# Altium PCB PCB3.PcbDoc (part 2 of 2)
Units mm, origin at the board's own origin, x right, y up, seen from the top; angles counter-clockwise.
Board outline 64.1 x 43.89 mm, 2 copper layers (Top Layer, Bottom Layer); 156 components, 17 nets, 540 pads, 360 vias.
Unrouted connection lines stored in the file: 91.
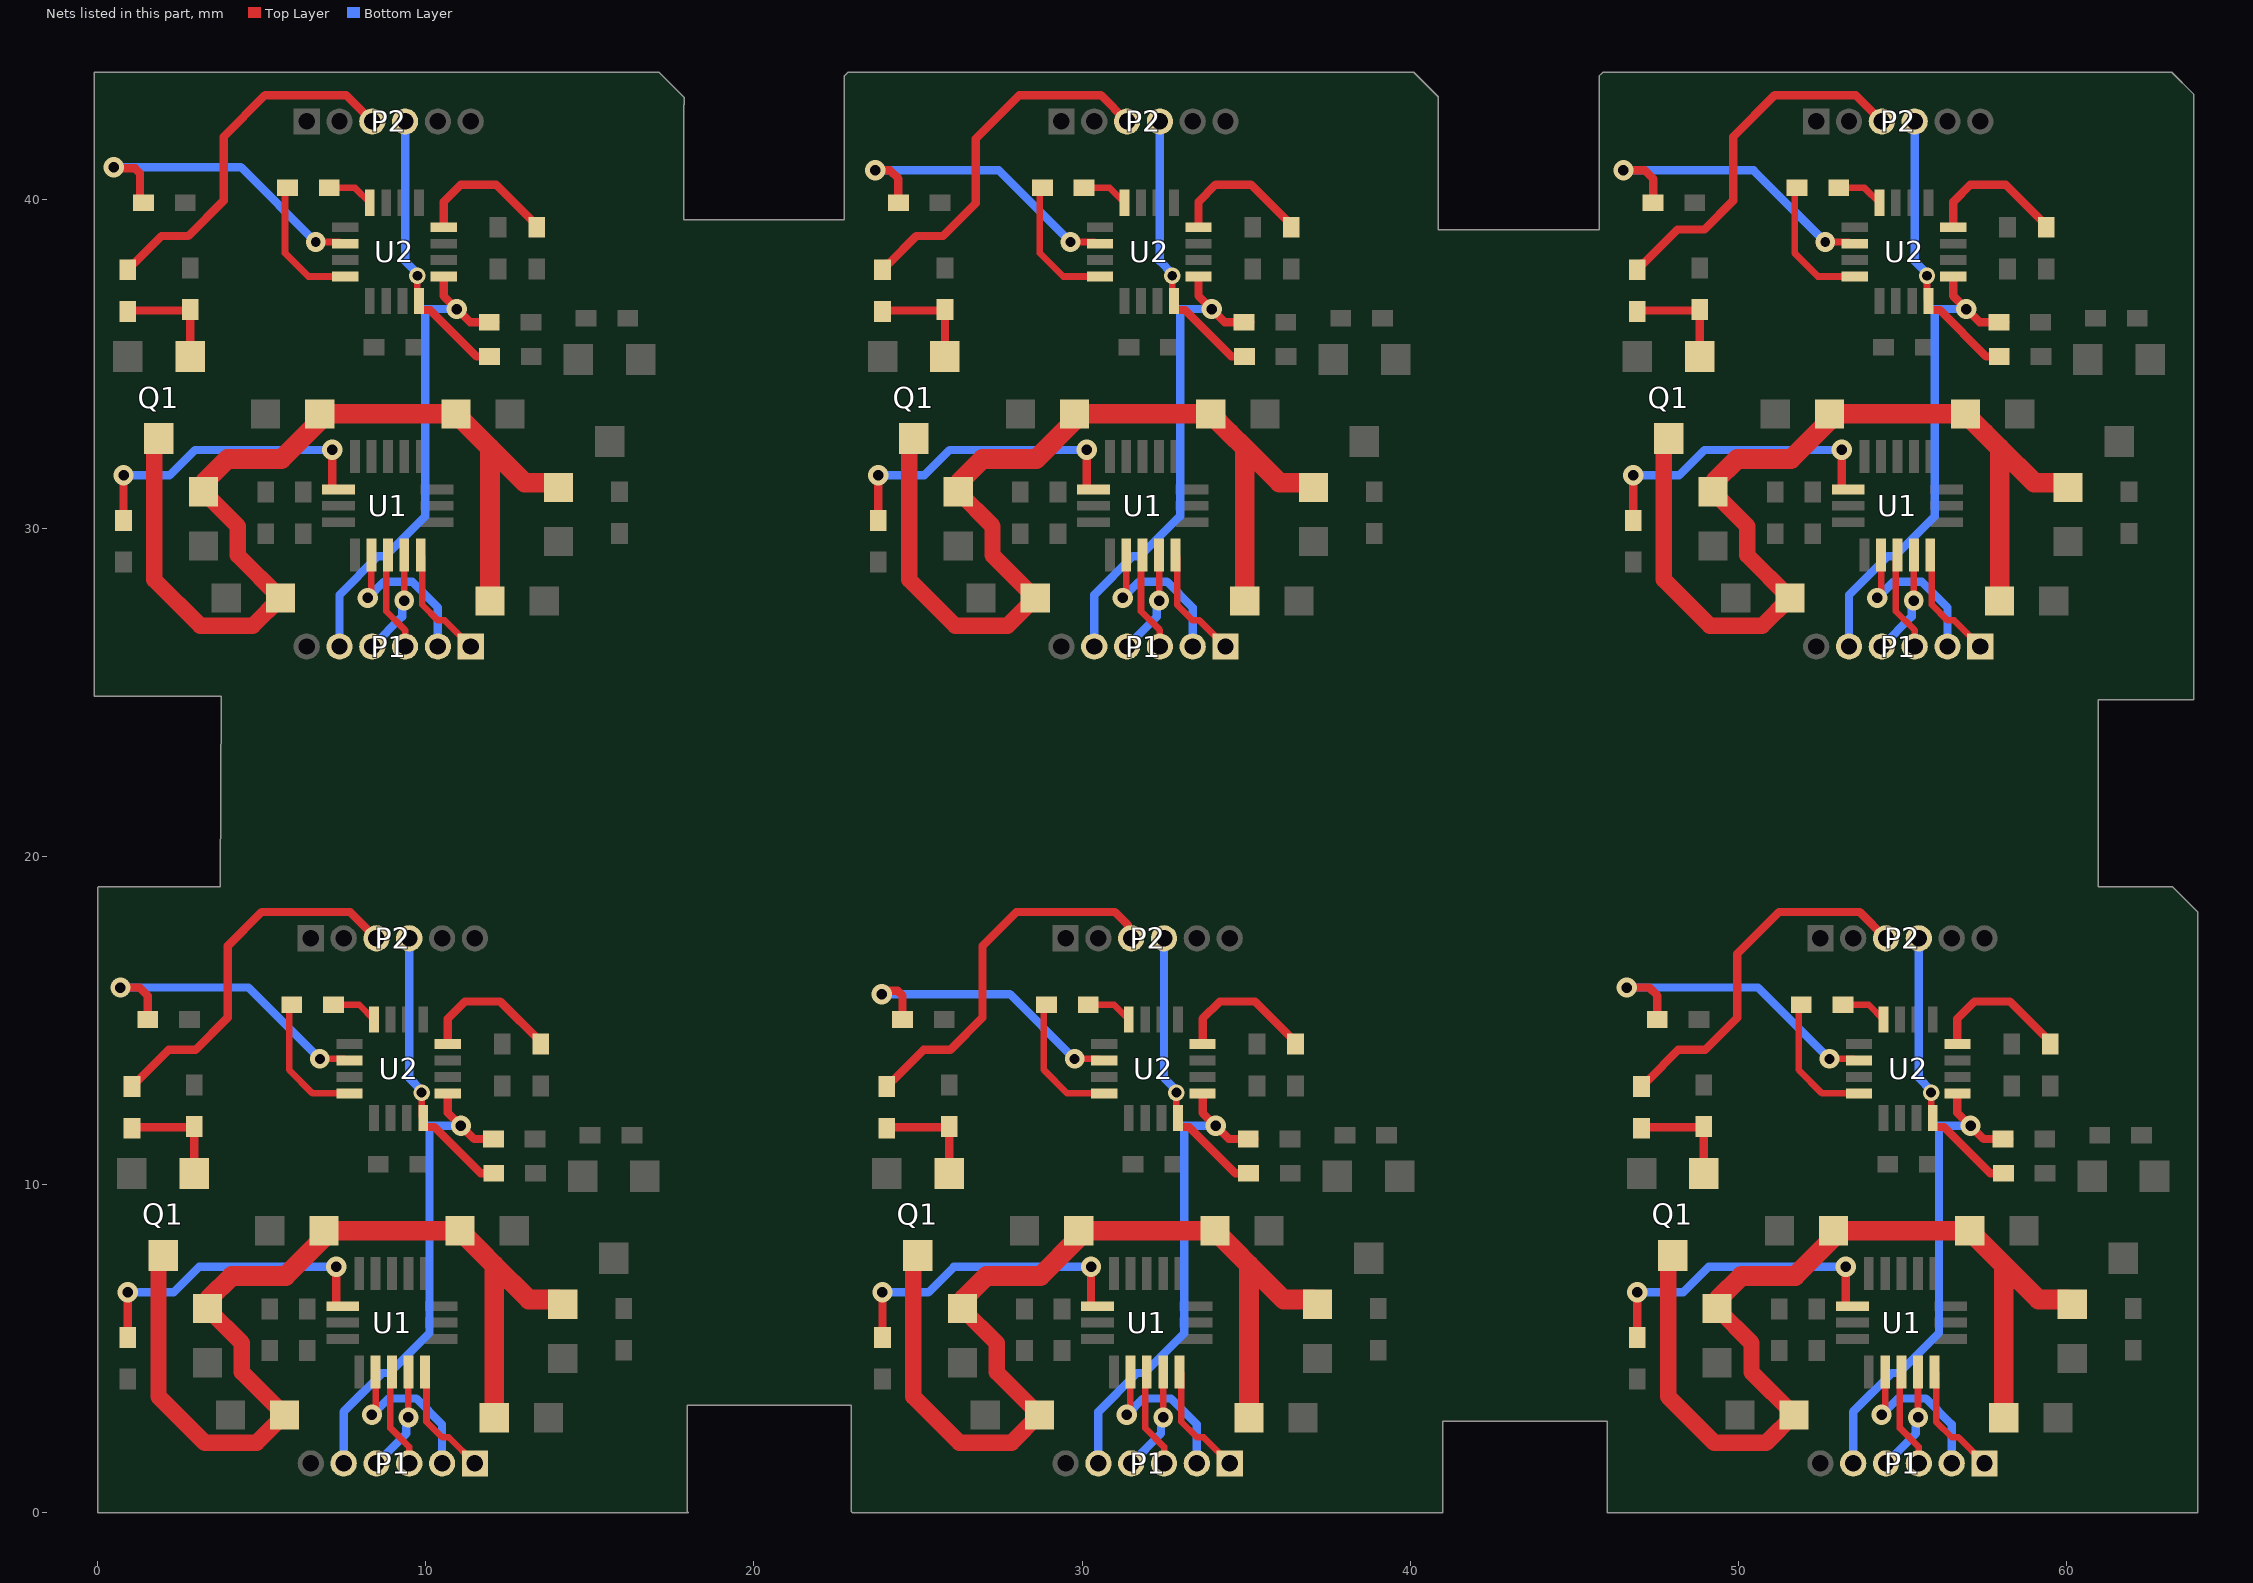
[diagram p2: the nets of this part, all layers, seen from the top]

## Via types
v1: diameter 0.508/0.6 (per signal layer), hole 0.457, Top Layer to Bottom Layer, 168 vias
v2: diameter 0.62, hole 0.32, Top Layer to Bottom Layer, 132 vias
v3: diameter 2.2/0.6 (per signal layer), hole 2, Top Layer to Bottom Layer, 20 vias
v4: diameter 0.6, hole 0.3, Top Layer to Bottom Layer, 12 vias
v5: diameter 0.6/0.6 (per signal layer), hole 0.5, Top Layer to Bottom Layer, 6 vias
v6: diameter 0.5, hole 0.3, Top Layer to Bottom Layer, 6 vias
v7: diameter 0.6, hole 0.32, Top Layer to Bottom Layer, 6 vias
v8: diameter 0.6, hole 0.4, Top Layer to Bottom Layer, 6 vias
v9: diameter 2.1/0.6 (per signal layer), hole 2, Top Layer to Bottom Layer, 4 vias

## Nets (pads, with @x,y where several pads share a name; then routed paths per layer and width w, separated by ;. In a path a pad name is that pad's centre, name@x,y a point inside that pad or via, vN(x,y) a via of type N, cw(c..) or ccw(c..) an arc to the next point about the centre after c; other vN are vias at no path point) (continued)
NetC4_1: C4.1 U1.14 | length 56.6
  Top Layer w0.254: C4.1@0.793,30.233 v2(0.793,31.606) ; C4.1@0.92,5.341 v2(0.92,6.714) ; v2(7.148,32.383) 7.148,31.203 7.171,31.18 U1.14@7.348,31.18 ; v2(7.275,7.491) 7.275,6.311 7.298,6.288 U1.14@7.475,6.288 ; C4.1@23.793,30.233 v2(23.793,31.606) ; C4.1@23.92,5.341 v2(23.92,6.714) ; v2(30.148,32.383) 30.148,31.203 30.171,31.18 U1.14@30.348,31.18 ; v2(30.275,7.491) 30.275,6.311 30.298,6.288 U1.14@30.475,6.288 ; C4.1@46.793,30.233 v2(46.793,31.606) ; C4.1@46.92,5.341 v2(46.92,6.714) ; v2(53.148,32.383) 53.148,31.203 53.171,31.18 U1.14@53.348,31.18 ; v2(53.275,7.491) 53.275,6.311 53.298,6.288 U1.14@53.475,6.288
  Bottom Layer w0.254: v2(0.793,31.606) 2.191,31.606 2.969,32.383 v2(7.148,32.383) ; v2(0.92,6.714) 2.318,6.714 3.096,7.491 v2(7.275,7.491) ; v2(23.793,31.606) 25.191,31.606 25.969,32.383 v2(30.148,32.383) ; v2(23.92,6.714) 25.318,6.714 26.096,7.491 v2(30.275,7.491) ; v2(46.793,31.606) 48.191,31.606 48.969,32.383 v2(53.148,32.383) ; v2(46.92,6.714) 48.318,6.714 49.096,7.491 v2(53.275,7.491)
NetC8_2: C8.2 U2.10 | length 56.5
  Top Layer w0.2: v4(6.648,38.718) 7.373,38.718 U2.10@7.423,38.667 ; v4(6.775,13.826) 7.5,13.826 U2.10@7.55,13.775 ; v4(29.648,38.718) 30.373,38.718 U2.10@30.423,38.667 ; v4(29.775,13.826) 30.5,13.826 U2.10@30.55,13.775 ; v4(52.648,38.718) 53.373,38.718 U2.10@53.423,38.667 ; v4(52.775,13.826) 53.5,13.826 U2.10@53.55,13.775
  Top Layer w0.254: v2(0.5,41) 0.539,40.961 1.148,40.961 1.297,40.812 1.297,40.023 C8.2@1.403,39.917 ; v2(0.7,16) 1.285,16 1.53,15.755 C8.2@1.53,15.025 ; v2(23.7,40.9) 24.15,40.9 24.403,40.647 C8.2@24.403,39.917 ; v2(23.9,15.8) 23.9,15.815 23.985,15.9 24.385,15.9 24.53,15.755 C8.2@24.53,15.025 ; v2(46.5,40.9) 47.15,40.9 47.403,40.647 C8.2@47.403,39.917 ; v2(46.6,16) 47.285,16 47.53,15.755 C8.2@47.53,15.025
  Bottom Layer w0.254: v2(0.5,41) 4.366,41 v4(6.648,38.718) ; v2(0.7,16) 4.601,16 v4(6.775,13.826) ; v2(23.7,40.9) 27.466,40.9 v4(29.648,38.718) ; v2(23.9,15.8) 27.801,15.8 v4(29.775,13.826) ; v2(46.5,40.9) 50.466,40.9 v4(52.648,38.718) ; v2(46.6,16) 50.601,16 v4(52.775,13.826)
NetC9_1: C9.1 U2.8 | length 9
  Top Layer w0.2: C9.1@6.983,40.367 7.848,40.367 U2.8@8.298,39.917 ; C9.1@7.11,15.475 7.975,15.475 U2.8@8.425,15.025 ; C9.1@29.983,40.367 30.848,40.367 U2.8@31.298,39.917 ; C9.1@30.11,15.475 30.975,15.475 U2.8@31.425,15.025 ; C9.1@52.983,40.367 53.848,40.367 U2.8@54.298,39.917 ; C9.1@53.11,15.475 53.975,15.475 U2.8@54.425,15.025
NetC9_2: C9.2 U2.12 | length 24.4
  Top Layer w0.2: C9.2@5.713,40.317 5.713,38.381 6.426,37.668 U2.12@7.548,37.667 ; C9.2@5.84,15.425 5.84,13.489 6.553,12.776 U2.12@7.675,12.775 ; C9.2@28.713,40.317 28.713,38.381 29.426,37.668 U2.12@30.548,37.668 ; C9.2@28.84,15.425 28.84,13.489 29.553,12.776 U2.12@30.675,12.776 ; C9.2@51.713,40.317 51.713,38.381 52.426,37.668 U2.12@53.548,37.668 ; C9.2@51.84,15.425 51.84,13.489 52.553,12.776 U2.12@53.675,12.776
NetQ1_1: Q1.1 R7.2 R8.1 | length 20.1
  Top Layer w0.254: R7.2@0.923,36.604 0.949,36.631 2.797,36.631 R8.1@2.823,36.657 Q1.1@2.823,35.23 ; R7.2@1.05,11.712 1.076,11.739 2.924,11.739 R8.1@2.95,11.765 Q1.1@2.95,10.338 ; R7.2@23.923,36.604 23.949,36.631 25.797,36.631 R8.1@25.823,36.657 Q1.1@25.823,35.23 ; R7.2@24.05,11.712 24.076,11.739 25.924,11.739 R8.1@25.95,11.765 Q1.1@25.95,10.338 ; R7.2@46.923,36.604 46.949,36.631 48.797,36.631 R8.1@48.823,36.657 Q1.1@48.823,35.23 ; R7.2@47.05,11.712 47.076,11.739 48.924,11.739 R8.1@48.95,11.765 Q1.1@48.95,10.338
NetQ1_3: Q1.3 R1.2 R2.2 R3.2 R4.1 R5.1 R6.1 | length 184.1
  Top Layer w0.5: Q1.3@1.873,32.73 1.733,32.589 1.733,28.429 3.135,27.026 4.728,27.026 R6.1@5.573,27.871 4.273,29.171 4.273,30.061 R2.2@3.227,31.107 ; Q1.3@2,7.838 1.86,7.697 1.86,3.537 3.262,2.134 4.855,2.134 R6.1@5.7,2.979 4.4,4.279 4.4,5.169 R2.2@3.354,6.215 ; Q1.3@24.873,32.73 24.733,32.589 24.733,28.429 26.135,27.026 27.728,27.026 R6.1@28.573,27.871 27.273,29.171 27.273,30.061 R2.2@26.227,31.107 ; Q1.3@25,7.838 24.86,7.697 24.86,3.537 26.262,2.134 27.855,2.134 R6.1@28.7,2.979 27.4,4.279 27.4,5.169 R2.2@26.354,6.215 ; Q1.3@47.873,32.73 47.733,32.589 47.733,28.429 49.135,27.026 50.728,27.026 R6.1@51.573,27.871 50.273,29.171 50.273,30.061 R2.2@49.227,31.107 ; Q1.3@48,7.838 47.86,7.697 47.86,3.537 49.262,2.134 50.855,2.134 R6.1@51.7,2.979 50.4,4.279 50.4,5.169 R2.2@49.354,6.215
  Top Layer w0.6: R2.2@3.277,31.416 3.966,32.105 5.605,32.105 6.774,33.273 R1.2@6.774,33.48 R5.1@10.923,33.48 11.5,32.903 11.961,32.442 ; R2.2@3.404,6.524 4.093,7.213 5.732,7.213 6.901,8.381 R1.2@6.901,8.588 R5.1@11.05,8.588 11.627,8.011 12.088,7.55 ; R3.2@11.961,27.781 11.961,32.442 ; R3.2@12.088,2.889 12.088,7.55 ; R4.1@14.05,31.241 13.905,31.386 13.017,31.386 11.961,32.442 ; R4.1@14.177,6.349 14.032,6.494 13.144,6.494 12.088,7.55 ; R2.2@26.277,31.416 26.966,32.105 28.605,32.105 29.774,33.273 R1.2@29.774,33.48 R5.1@33.923,33.48 34.5,32.903 34.961,32.442 ; R2.2@26.404,6.524 27.093,7.213 28.732,7.213 29.901,8.381 R1.2@29.901,8.588 R5.1@34.05,8.588 34.627,8.011 35.088,7.55 ; R3.2@34.961,27.781 34.961,32.442 ; R3.2@35.088,2.889 35.088,7.55 ; R4.1@37.05,31.241 36.905,31.386 36.017,31.386 34.961,32.442 ; R4.1@37.177,6.349 37.032,6.494 36.144,6.494 35.088,7.55 ; R2.2@49.277,31.416 49.966,32.105 51.605,32.105 52.774,33.273 R1.2@52.774,33.48 R5.1@56.923,33.48 57.5,32.903 57.961,32.442 ; R2.2@49.404,6.524 50.093,7.213 51.732,7.213 52.901,8.381 R1.2@52.901,8.588 R5.1@57.05,8.588 57.627,8.011 58.088,7.55 ; R3.2@57.961,27.781 57.961,32.442 ; R3.2@58.088,2.889 58.088,7.55 ; R4.1@60.05,31.241 59.905,31.386 59.017,31.386 57.961,32.442 ; R4.1@60.177,6.349 60.032,6.494 59.144,6.494 58.088,7.55
NetR11_2: R11.2 U2.4 | length 26.4
  Top Layer w0.254: U2.4@10.548,39.167 10.548,39.943 11.072,40.466 12.145,40.466 13.381,39.231 R11.2@13.381,39.167 ; U2.4@10.675,14.275 10.675,15.051 11.199,15.574 12.272,15.574 13.508,14.339 R11.2@13.508,14.275 ; U2.4@33.548,39.167 33.548,39.943 34.072,40.466 35.145,40.466 36.381,39.231 R11.2@36.381,39.167 ; U2.4@33.675,14.275 33.675,15.051 34.199,15.574 35.272,15.574 36.508,14.339 R11.2@36.508,14.275 ; U2.4@56.548,39.167 56.548,39.943 57.072,40.466 58.145,40.466 59.381,39.231 R11.2@59.381,39.167 ; U2.4@56.675,14.275 56.675,15.051 57.199,15.574 58.272,15.574 59.508,14.339 R11.2@59.508,14.275
PA1/HEATER: P2.3 R7.1 | length 67.4
  Top Layer w0.254: R7.1@0.923,37.874 0.923,37.938 1.05,38.065 1.113,38.065 1.949,38.9 2.766,38.9 3.842,39.976 3.842,41.924 5.11,43.192 7.573,43.192 P2.3@8.373,42.392 ; R7.1@1.05,12.982 1.05,13.046 1.177,13.173 1.24,13.173 2.168,14.1 2.985,14.1 3.969,15.084 3.969,17.269 5,18.3 7.7,18.3 P2.3@8.5,17.5 ; R7.1@23.923,37.874 23.923,37.938 24.05,38.065 24.113,38.065 24.949,38.9 25.766,38.9 26.761,39.894 26.761,41.861 28.092,43.192 30.573,43.192 P2.3@31.373,42.392 ; R7.1@24.05,12.982 24.05,13.046 24.177,13.173 24.24,13.173 25.168,14.1 25.985,14.1 26.969,15.084 26.969,17.269 28,18.3 31,18.3 31.396,17.904 31.396,17.604 P2.3@31.5,17.5 ; R7.1@46.923,37.874 46.923,37.938 47.05,38.065 47.113,38.065 48.149,39.1 48.966,39.1 49.842,39.976 49.842,41.924 51.11,43.192 53.573,43.192 P2.3@54.373,42.392 ; R7.1@47.05,12.982 47.05,13.046 47.177,13.173 47.24,13.173 48.168,14.1 48.985,14.1 49.969,15.084 49.969,17.032 51.237,18.3 53.7,18.3 P2.3@54.5,17.5
PA2/SDA: P2.4 R9.1 U2.16 | length 52.7
  Top Layer w0.2: v6(9.748,37.692) 9.748,36.967 U2.16@9.798,36.917 ; v6(9.875,12.8) 9.875,12.075 U2.16@9.925,12.025 ; v6(32.748,37.692) 32.748,36.967 U2.16@32.798,36.917 ; v6(32.875,12.8) 32.875,12.075 U2.16@32.925,12.025 ; v6(55.748,37.692) 55.748,36.967 U2.16@55.798,36.917 ; v6(55.875,12.8) 55.875,12.075 U2.16@55.925,12.025
  Top Layer w0.254: U2.16@9.798,36.917 9.798,36.667 9.821,36.644 10.139,36.644 11.553,35.23 R9.1@12.088,35.23 ; U2.16@9.925,12.025 9.925,11.775 9.948,11.752 10.266,11.752 11.68,10.338 R9.1@12.215,10.338 ; U2.16@32.798,36.917 32.798,36.667 32.821,36.644 33.139,36.644 34.553,35.23 R9.1@35.088,35.23 ; U2.16@32.925,12.025 32.925,11.775 32.948,11.752 33.266,11.752 34.68,10.338 R9.1@35.215,10.338 ; U2.16@55.798,36.917 55.798,36.667 55.821,36.644 56.139,36.644 57.553,35.23 R9.1@58.088,35.23 ; U2.16@55.925,12.025 55.925,11.775 55.948,11.752 56.266,11.752 57.68,10.338 R9.1@58.215,10.338
  Bottom Layer w0.254: P2.4@9.373,42.392 9.373,38.134 9.748,37.759 v6(9.748,37.692) ; P2.4@9.5,17.5 9.5,13.242 9.875,12.867 v6(9.875,12.8) ; P2.4@32.373,42.392 32.373,38.134 32.748,37.759 v6(32.748,37.692) ; P2.4@32.5,17.5 32.5,13.242 32.875,12.867 v6(32.875,12.8) ; P2.4@55.373,42.392 55.373,38.134 55.748,37.759 v6(55.748,37.692) ; P2.4@55.5,17.5 55.5,13.242 55.875,12.867 v6(55.875,12.8)
PA3/CS_ICM: P1.1 U1.5 | length 21.2
  Top Layer w0.2: U1.5@9.848,29.18 9.898,29.13 9.898,27.662 10.375,27.186 10.579,27.186 P1.1@11.373,26.392 ; U1.5@9.975,4.288 10.025,4.238 10.025,2.77 10.502,2.294 10.706,2.294 P1.1@11.5,1.5 ; U1.5@32.848,29.18 32.898,29.13 32.898,27.662 33.375,27.186 33.579,27.186 P1.1@34.373,26.392 ; U1.5@32.975,4.288 33.025,4.238 33.025,2.77 33.502,2.294 33.706,2.294 P1.1@34.5,1.5 ; U1.5@55.848,29.18 55.898,29.13 55.898,27.662 56.375,27.186 56.579,27.186 P1.1@57.373,26.392 ; U1.5@55.975,4.288 56.025,4.238 56.025,2.77 56.502,2.294 56.706,2.294 P1.1@57.5,1.5
PA4/SCL: P1.5 R10.1 U2.1 | length 89.8
  Top Layer w0.254: U2.1@10.548,37.667 10.548,37.076 v2(10.948,36.676) 11.349,36.275 R10.1@11.939,36.275 R10.1@12.13,36.275 ; U2.1@10.675,12.775 10.675,12.184 v2(11.075,11.784) 11.476,11.383 R10.1@12.066,11.383 R10.1@12.257,11.383 ; U2.1@33.548,37.667 33.548,37.076 v2(33.948,36.676) 34.349,36.275 R10.1@34.939,36.275 R10.1@35.13,36.275 ; U2.1@33.675,12.775 33.675,12.184 v2(34.075,11.784) 34.476,11.383 R10.1@35.066,11.383 R10.1@35.257,11.383 ; U2.1@56.548,37.667 56.548,37.076 v2(56.948,36.676) 57.349,36.275 R10.1@57.939,36.275 R10.1@58.13,36.275 ; U2.1@56.675,12.775 56.675,12.184 v2(57.075,11.784) 57.476,11.383 R10.1@58.066,11.383 R10.1@58.257,11.383
  Bottom Layer w0.254: P1.5@7.373,26.392 7.373,27.966 8.554,29.147 8.773,29.147 9.989,30.363 9.989,36.676 v2(10.948,36.676) ; P1.5@7.5,1.5 7.5,3.074 8.681,4.255 8.9,4.255 10.116,5.471 10.116,11.784 v2(11.075,11.784) ; P1.5@30.373,26.392 30.373,27.966 31.554,29.147 31.773,29.147 32.989,30.363 32.989,36.676 v2(33.948,36.676) ; P1.5@30.5,1.5 30.5,3.074 31.681,4.255 31.9,4.255 33.116,5.471 33.116,11.784 v2(34.075,11.784) ; P1.5@53.373,26.392 53.373,27.966 54.554,29.147 54.773,29.147 55.989,30.363 55.989,36.676 v2(56.948,36.676) ; P1.5@53.5,1.5 53.5,3.074 54.681,4.255 54.9,4.255 56.116,5.471 56.116,11.784 v2(57.075,11.784)
PA5/SCLK: P1.2 U1.2 | length 31.3
  Top Layer w0.2: v2(8.237,27.871) 8.348,27.982 U1.2@8.348,29.18 ; v2(8.364,2.979) 8.475,3.09 U1.2@8.475,4.288 ; v2(31.237,27.871) 31.348,27.982 U1.2@31.348,29.18 ; v2(31.364,2.979) 31.475,3.09 U1.2@31.475,4.288 ; v2(54.237,27.871) 54.348,27.982 U1.2@54.348,29.18 ; v2(54.364,2.979) 54.475,3.09 U1.2@54.475,4.288
  Bottom Layer w0.254: v2(8.237,27.871) 8.735,28.369 9.587,28.369 10.373,27.583 P1.2@10.373,26.392 ; v2(8.364,2.979) 8.862,3.477 9.714,3.477 10.5,2.691 P1.2@10.5,1.5 ; v2(31.237,27.871) 31.735,28.369 32.587,28.369 33.373,27.583 P1.2@33.373,26.392 ; v2(31.364,2.979) 31.862,3.477 32.714,3.477 33.5,2.691 P1.2@33.5,1.5 ; v2(54.237,27.871) 54.735,28.369 55.587,28.369 56.373,27.583 P1.2@56.373,26.392 ; v2(54.364,2.979) 54.862,3.477 55.714,3.477 56.5,2.691 P1.2@56.5,1.5
PA6/MISO: P1.4 U1.4 | length 19.3
  Top Layer w0.2: v7(9.348,27.792) 9.348,29.13 9.373,29.155 U1.4@9.348,29.18 ; v7(9.475,2.9) 9.475,4.238 9.5,4.263 U1.4@9.475,4.288 ; v7(32.348,27.792) 32.348,29.13 32.373,29.155 U1.4@32.348,29.18 ; v7(32.475,2.9) 32.475,4.238 32.5,4.263 U1.4@32.475,4.288 ; v7(55.348,27.792) 55.348,29.13 55.373,29.155 U1.4@55.348,29.18 ; v7(55.475,2.9) 55.475,4.238 55.5,4.263 U1.4@55.475,4.288
  Bottom Layer w0.254: P1.4@8.373,26.392 9.282,27.301 9.282,27.726 v7(9.348,27.792) ; P1.4@8.5,1.5 9.409,2.409 9.409,2.834 v7(9.475,2.9) ; P1.4@31.373,26.392 32.282,27.301 32.282,27.726 v7(32.348,27.792) ; P1.4@31.5,1.5 32.409,2.409 32.409,2.834 v7(32.475,2.9) ; P1.4@54.373,26.392 55.282,27.301 55.282,27.726 v7(55.348,27.792) ; P1.4@54.5,1.5 55.409,2.409 55.409,2.834 v7(55.475,2.9)
PA7/MOSI: P1.3 U1.3 | length 18.3
  Top Layer w0.2: U1.3@8.848,29.18 8.798,29.13 8.798,27.467 9.373,26.892 P1.3@9.373,26.392 ; U1.3@8.975,4.288 8.925,4.238 8.925,2.575 9.5,2 P1.3@9.5,1.5 ; U1.3@31.848,29.18 31.798,29.13 31.798,27.467 32.373,26.892 P1.3@32.373,26.392 ; U1.3@31.975,4.288 31.925,4.238 31.925,2.575 32.5,2 P1.3@32.5,1.5 ; U1.3@54.848,29.18 54.798,29.13 54.798,27.467 55.373,26.892 P1.3@55.373,26.392 ; U1.3@54.975,4.288 54.925,4.238 54.925,2.575 55.5,2 P1.3@55.5,1.5
pads on no net: U1.6 U1.7 U2.5 U2.6 U2.7 U2.14 U2.15
copper on no net:
  other v1: 41.1,3.5 45.702,3.581 18.1,4.175 22.702,4.256 41.1,4.516 45.702,4.597 18.1,5.191 22.702,5.272 41.1,5.405 45.702,5.486 18.1,6.08 22.702,6.161 41.1,6.167 45.702,6.248 18.1,6.842 22.702,6.923 41.1,6.929 45.702,7.01 18.1,7.604 22.702,7.685 41.1,7.945 45.702,8.026 18.1,8.62 22.702,8.701 41.1,8.834 45.702,8.915 18.1,9.509 22.702,9.59 41.1,9.596 45.702,9.677 18.1,10.271 22.702,10.352 41.1,10.358 45.702,10.439 18.1,11.033 22.702,11.114 41.1,11.374 45.702,11.455 18.1,12.049 22.702,12.13 41.1,12.263 45.702,12.344 18.1,12.938 22.702,13.019 41.1,13.025 45.702,13.106 18.1,13.7 22.702,13.781 4.749,19.1 5.511,19.1 6.4,19.1 7.416,19.1 8.178,19.1 8.94,19.1 9.829,19.1 10.845,19.1 11.607,19.1 12.369,19.1 13.258,19.1 14.274,19.1 27.475,19.1 28.237,19.1 29.126,19.1 30.142,19.1 30.904,19.1 31.666,19.1 32.555,19.1 33.571,19.1 34.333,19.1 35.095,19.1 35.984,19.1 37,19.1 50.575,19.2 51.337,19.2 52.226,19.2 53.242,19.2 54.004,19.2 54.766,19.2 55.655,19.2 56.671,19.2 57.433,19.2 58.195,19.2 59.084,19.2 60.1,19.2 50.494,24.702 51.256,24.702 52.145,24.702 53.161,24.702 53.923,24.702 54.685,24.702 55.574,24.702 56.59,24.702 57.352,24.702 58.114,24.702 59.003,24.702 60.019,24.702 4.594,24.802 5.356,24.802 6.245,24.802 7.261,24.802 8.023,24.802 8.785,24.802 9.674,24.802 10.69,24.802 11.452,24.802 12.214,24.802 13.103,24.802 14.119,24.802 27.494,24.802 28.256,24.802 29.145,24.802 30.161,24.802 30.923,24.802 31.685,24.802 32.574,24.802 33.59,24.802 34.352,24.802 35.114,24.802 36.003,24.802 37.019,24.802 41.1,28.575 45.702,28.656 17.9,28.95 22.502,29.031 41.1,29.591 45.702,29.672 17.9,29.966 22.502,30.047 41.1,30.48 45.702,30.561 17.9,30.855 22.502,30.936 41.1,31.242 45.702,31.323 17.9,31.617 22.502,31.698 41.1,32.004 45.702,32.085 17.9,32.379 22.502,32.46 41.1,33.02 45.702,33.101 17.9,33.395 22.502,33.476 41.1,33.909 45.702,33.99 17.9,34.284 22.502,34.365 41.1,34.671 45.702,34.752 17.9,35.046 22.502,35.127 41.1,35.433 45.702,35.514 17.9,35.808 22.502,35.889 41.1,36.449 45.702,36.53 17.9,36.824 22.502,36.905 41.1,37.338 45.702,37.419 17.9,37.713 22.502,37.794 41.1,38.1 45.702,38.181 17.9,38.475 22.502,38.556

## Polygon pours and split planes (outlines as drawn)
GND on Top Layer "GND_L01_P062" (solid, remove dead copper, pour order 62): 17.873,44.192 -0.127,44.192 -0.127,36.74 -0.127,24.892 17.873,24.892
GND on Top Layer "GND_L01_P088" (solid, remove dead copper, pour order 88): 41,19.3 23,19.3 23,11.848 23,0 41,0
GND on Top Layer "GND_L01_P066" (solid, remove dead copper, pour order 66): 63.873,44.192 45.873,44.192 45.873,36.74 45.873,24.892 63.873,24.892
GND on Top Layer "GND_L01_P064" (solid, remove dead copper, pour order 64): 40.873,44.192 22.873,44.192 22.873,36.74 22.873,24.892 40.873,24.892
GND on Top Layer "GND_L01_P090" (solid, remove dead copper, pour order 90): 64,19.3 46,19.3 46,11.848 46,0 64,0
GND on Top Layer "GND_L01_P086" (solid, remove dead copper, pour order 86): 18,19.3 0,19.3 0,11.848 0,0 18,0
GND on Bottom Layer "NONET_L-01_P-001" (solid, remove dead copper, pour order 63): -0.127,44.192 17.673,44.192 17.673,24.792 0.073,24.792 -0.127,24.992
GND on Bottom Layer "NONET_L-01_P-001" (solid, remove dead copper, pour order 89): 23,19.3 40.8,19.3 40.8,-0.1 23.2,-0.1 23,0.1
GND on Bottom Layer "NONET_L-01_P-001" (solid, remove dead copper, pour order 65): 22.873,44.192 40.673,44.192 40.673,24.792 23.073,24.792 22.873,24.992
GND on Bottom Layer "NONET_L-01_P-001" (solid, remove dead copper, pour order 67): 45.873,44.192 63.673,44.192 63.673,24.792 46.073,24.792 45.873,24.992
GND on Bottom Layer "NONET_L-01_P-001" (solid, remove dead copper, pour order 91): 46,19.3 63.8,19.3 63.8,-0.1 46.2,-0.1 46,0.1
GND on Bottom Layer "NONET_L-01_P-001" (solid, remove dead copper, pour order 87): 0,19.3 17.8,19.3 17.8,-0.1 0.2,-0.1 0,0.1

## Keep-outs
Keep-Out Layer:
  lines w0.2: -0.1,24.874 -0.1,43.892 17.108,43.892 17.873,43.127 17.873,42.9 ; 0,19.048 0,0 18,0 ; 15.073,19.1 17.188,19.1 17.957,18.331 17.957,17.457 ; 15.073,24.892 17.873,24.892 ; 17.857,41.857 17.857,42.884 ; 22.856,19 26.6,19 ; 22.873,43.892 40.108,43.892 40.857,43.143 ; 23,0 41,0 ; 37.947,19 39.5,19 40.4,19 41,18.4 ; 45.856,19.1 49.625,19.1 ; 45.873,43.892 63.208,43.892 63.873,43.227 63.873,24.774 ; 46,0 64,0 64,18.3
  lines w0.254: -0.1,24.874 3.773,24.874 3.747,19.074 0.026,19.074 ; 15.073,19.1 15.073,24.892 ; 17.857,41.857 17.857,39.397 22.756,39.397 22.756,43.775 22.873,43.892 ; 17.873,24.892 17.873,28.074 22.873,28.074 22.873,24.927 26.572,24.927 26.6,19 ; 17.957,17.457 17.957,14.597 22.856,14.597 22.856,19 ; 17.973,0.027 17.973,3.274 22.973,3.274 22.973,0.027 ; 37.873,19.074 37.873,24.874 40.826,24.874 40.873,24.874 40.873,27.774 45.873,27.774 45.873,24.833 48.814,24.833 49.635,24.833 49.651,19.074 ; 40.857,43.143 40.857,39.097 45.756,39.097 45.756,43.775 45.873,43.892 ; 41,0 41,2.788 46,2.788 46,0 ; 41,18.4 41,14 45.856,14 45.856,19.1 ; 63.873,24.774 60.973,24.774 60.973,19.074 63.226,19.074 64,18.3

## Silkscreen, mask and mechanical layers (free items; w line width, h text height)
Top Overlay:
  lines w0.2: 4.673,35.017 4.673,37.217 ; 4.8,10.125 4.8,12.325 ; 4.848,35.317 5.148,35.617 ; 4.848,37.517 7.048,37.517 6.748,37.817 ; 4.975,10.425 5.275,10.725 ; 4.975,12.625 7.175,12.625 6.875,12.925 ; 27.673,35.017 27.673,37.217 ; 27.8,10.125 27.8,12.325 ; 27.848,35.317 28.148,35.617 ; 27.848,37.517 30.048,37.517 29.748,37.817 ; 27.975,10.425 28.275,10.725 ; 27.975,12.625 30.175,12.625 29.875,12.925 ; 50.673,35.017 50.673,37.217 ; 50.8,10.125 50.8,12.325 ; 50.848,35.317 51.148,35.617 ; 50.848,37.517 53.048,37.517 52.748,37.817 ; 50.975,10.425 51.275,10.725 ; 50.975,12.625 53.175,12.625 52.875,12.925 ; 11.498,37.092 11.498,37.092 ; 11.625,12.2 11.625,12.2 ; 34.498,37.092 34.498,37.092 ; 34.625,12.2 34.625,12.2 ; 57.498,37.092 57.498,37.092 ; 57.625,12.2 57.625,12.2
  text "5V" at 4.073,41.892 h0.7
  text "G" at 12.173,41.892 h0.7
  text "5V" at 27.073,41.892 h0.7
  text "G" at 35.173,41.892 h0.7
  text "5V" at 50.073,41.892 h0.7
  text "G" at 58.173,41.892 h0.7
  text "y" at 6.173,37.792 h0.7
  text "y" at 29.173,37.792 h0.7
  text "y" at 52.173,37.792 h0.7
  text "x" at 5.248,35.317 h0.7
  text "x" at 28.248,35.317 h0.7
  text "x" at 51.248,35.317 h0.7
  text "G" at 4.638,25.892 h0.7
  text "G" at 27.638,25.892 h0.7
  text "G" at 50.638,25.892 h0.7
  text "5V" at 4.2,17 h0.7
  text "G" at 12.3,17 h0.7
  text "5V" at 27.2,17 h0.7
  text "G" at 35.3,17 h0.7
  text "5V" at 50.2,17 h0.7
  text "G" at 58.3,17 h0.7
  text "y" at 6.3,12.9 h0.7
  text "y" at 29.3,12.9 h0.7
  text "y" at 52.3,12.9 h0.7
  text "x" at 5.375,10.425 h0.7
  text "x" at 28.375,10.425 h0.7
  text "x" at 51.375,10.425 h0.7
  text "G" at 4.765,1 h0.7
  text "G" at 27.765,1 h0.7
  text "G" at 50.765,1 h0.7
Bottom Overlay:
  lines w0.2: 11.023,30.117 10.723,29.817 ; 11.15,5.225 10.85,4.925 ; 12.623,32.317 12.923,32.017 10.723,32.017 10.723,29.817 ; 12.75,7.425 13.05,7.125 10.85,7.125 10.85,4.925 ; 34.023,30.117 33.723,29.817 ; 34.15,5.225 33.85,4.925 ; 35.623,32.317 35.923,32.017 33.723,32.017 33.723,29.817 ; 35.75,7.425 36.05,7.125 33.85,7.125 33.85,4.925 ; 57.023,30.117 56.723,29.817 ; 57.15,5.225 56.85,4.925 ; 58.623,32.317 58.923,32.017 56.723,32.017 56.723,29.817 ; 58.75,7.425 59.05,7.125 56.85,7.125 56.85,4.925 ; 10.723,29.817 10.723,29.817 ; 10.85,4.925 10.85,4.925 ; 33.723,29.817 33.723,29.817 ; 33.85,4.925 33.85,4.925 ; 56.723,29.817 56.723,29.817 ; 56.85,4.925 56.85,4.925
  text "H" at 8.073,41.092 h0.7 r270
  text "H" at 31.073,41.092 h0.7 r270
  text "H" at 54.073,41.092 h0.7 r270
  text "G" at 11.073,40.992 h0.7 r270
  text "G" at 34.073,40.992 h0.7 r270
  text "G" at 57.073,40.992 h0.7 r270
  text "5V" at 6.148,40.892 h0.7 r270
  text "5V" at 29.148,40.892 h0.7 r270
  text "5V" at 52.148,40.892 h0.7 r270
  text "y" at 12.423,32.617 h0.7
  text "y" at 35.423,32.617 h0.7
  text "y" at 58.423,32.617 h0.7
  text "x" at 12.123,30.217 h0.7
  text "x" at 35.123,30.217 h0.7
  text "x" at 58.123,30.217 h0.7
  text "GND" at 6.073,27.192 h0.7 r270
  text "CS-AK" at 7.073,27.192 h0.7 r270
  text "MISO" at 8.073,27.192 h0.7 r270
  text "MOSI" at 9.073,27.192 h0.7 r270
  text "SCLK" at 10.073,27.192 h0.7 r270
  text "CS-ICM" at 11.073,27.192 h0.7 r270
  text "GND" at 29.073,27.192 h0.7 r270
  text "CS-AK" at 30.073,27.192 h0.7 r270
  text "MISO" at 31.073,27.192 h0.7 r270
  text "MOSI" at 32.073,27.192 h0.7 r270
  text "SCLK" at 33.073,27.192 h0.7 r270
  text "CS-ICM" at 34.073,27.192 h0.7 r270
  text "GND" at 52.073,27.192 h0.7 r270
  text "CS-AK" at 53.073,27.192 h0.7 r270
  text "MISO" at 54.073,27.192 h0.7 r270
  text "MOSI" at 55.073,27.192 h0.7 r270
  text "SCLK" at 56.073,27.192 h0.7 r270
  text "CS-ICM" at 57.073,27.192 h0.7 r270
  text "IMU-Sensor" at 12.835,26.992 h0.7 r270
  text "IMU-Sensor" at 35.835,26.992 h0.7 r270
  text "IMU-Sensor" at 58.835,26.992 h0.7 r270
  text "H" at 8.2,16.2 h0.7 r270
  text "H" at 31.2,16.2 h0.7 r270
  text "H" at 54.2,16.2 h0.7 r270
  text "G" at 11.2,16.1 h0.7 r270
  text "G" at 34.2,16.1 h0.7 r270
  text "G" at 57.2,16.1 h0.7 r270
  text "5V" at 6.275,16 h0.7 r270
  text "5V" at 29.275,16 h0.7 r270
  text "5V" at 52.275,16 h0.7 r270
  text "y" at 12.55,7.725 h0.7
  text "y" at 35.55,7.725 h0.7
  text "y" at 58.55,7.725 h0.7
  text "x" at 12.25,5.325 h0.7
  text "x" at 35.25,5.325 h0.7
  text "x" at 58.25,5.325 h0.7
  text "GND" at 6.2,2.3 h0.7 r270
  text "CS-AK" at 7.2,2.3 h0.7 r270
  text "MISO" at 8.2,2.3 h0.7 r270
  text "MOSI" at 9.2,2.3 h0.7 r270
  text "SCLK" at 10.2,2.3 h0.7 r270
  text "CS-ICM" at 11.2,2.3 h0.7 r270
  text "GND" at 29.2,2.3 h0.7 r270
  text "CS-AK" at 30.2,2.3 h0.7 r270
  text "MISO" at 31.2,2.3 h0.7 r270
  text "MOSI" at 32.2,2.3 h0.7 r270
  text "SCLK" at 33.2,2.3 h0.7 r270
  text "CS-ICM" at 34.2,2.3 h0.7 r270
  text "GND" at 52.2,2.3 h0.7 r270
  text "CS-AK" at 53.2,2.3 h0.7 r270
  text "MISO" at 54.2,2.3 h0.7 r270
  text "MOSI" at 55.2,2.3 h0.7 r270
  text "SCLK" at 56.2,2.3 h0.7 r270
  text "CS-ICM" at 57.2,2.3 h0.7 r270
  text "IMU-Sensor" at 12.962,2.1 h0.7 r270
  text "IMU-Sensor" at 35.962,2.1 h0.7 r270
  text "IMU-Sensor" at 58.962,2.1 h0.7 r270
Mechanical 1:
  lines w0.2: -0.127,24.892 -0.127,43.892 4.498,43.892 12.748,43.892 17.108,43.892 17.873,43.127 17.873,41.892 ; 3.747,19 0,19 0,0 18,0 ; 18,17 18,18.4 ; 22.856,19 26.6,19 ; 22.873,43.892 27.498,43.892 35.748,43.892 40.108,43.892 40.873,43.127 40.873,42.392 ; 23,0 41,0 ; 37.873,19 40.4,19 41,18.4 41,17 ; 45.856,19.056 49.651,19.074 ; 45.873,43.892 50.498,43.892 58.748,43.892 63.208,43.892 63.873,43.227 63.873,41.892 63.873,24.892 ; 46,0 64,0 64,17 64,18.2 63.2,19 60.973,19